# KiCad board oibus-mini-CCC_PANEL.kicad_pcb (continued)
## Routing (per net, layer and track width the routed paths; a pad name or vN(x,y) marks a point on that pad's centre or on a via; arc(x,y) is an arc through that point) (continued)
75.08,225.31 SW2#27.2 ; U6#28.9 41,219.51 41.05,219.56 U6#28.8 ; R5#27.2 86.8,221.21 v2(87.2,221.61) ; 40.35,219.06 40.3,219.01 ; 40,219.06 40.95,219.06 41.2,218.81 41.45,219.06 42.4,219.06 ; v2(41.8,226.01) 42,225.81 C18#21.2 ; SW2#29.2 38.08,225.31 39.18,224.21 v2(40.2,224.21) ; C13#27.2 78.71,230 v2(78.4,230.31) ; 37.8,233.56 37.8,230.99 38.08,230.71 SW2#29.2 ; 37.8,233.56 38.2,233.96 U2#28.10 v2(39.8,234.91) ; 37.8,233.56 38.2,233.56 v2(38.35,233.41) ; v2(78.4,230.31) 78,230.71 U2#29.11 ; v2(78.4,230.31) 78.5,230.21 ; U3#28.6 69.53,253.01 v2(70.35,253.83) ; v2(54.6,223.96) 54.53,224.03 P1#23.3 ; v2(65.64,235.76) 66.14,235.26 U8#21.8 ; v2(101.1,211.41) 101.2,211.51 D6#30.3 ; v2(89.98,241.45) 89.98,242.02 89.5,242.51 U2#29.20 ; 103.72,253.08 v2(103.6,253.21) ; v2(103.6,253.21) 103.72,253.33 U3#27.EGP9 ; v2(103.6,253.21) U3#27.EGP10 102.58,255.48 103,255.91 U3#27.12 ; v2(103.6,253.21) 103.47,253.08 U3#27.EGP7 ; v2(103.75,250.61) 103.58,250.78 U3#27.EGP1 U3#27.EGP4 U3#27.EGP3 ; v4(102.7,205.61) 103.2,206.11 C14#30.1 ; 114,219.06 114.95,219.06 115.2,218.81 115.45,219.06 116.4,219.06 ; v2(124.2,221.61) 123.8,221.21 R5#26.2 ; 114.35,219.06 114.3,219.01 ; U6#27.9 115,219.51 115.05,219.56 U6#27.8 ; U2#27.5 115,246.89 v2(115.05,246.94) ; R23#28.2 v2(125.3,247.31) ; v2(116.8,247.01) 116.9,246.91 U2#27.4 ; v2(123.8,246.81) 123.8,246.66 122.6,245.46 U2#27.1 ; v2(146.75,225.46) 146.79,225.5 C25#28.2 ; U8#29.47 102.39,228.63 C21#29.1 103.14,228.01 v2(103.74,227.41) ; 109.8,232.5 C26#27.1 ; C26#27.1 v2(110.4,232.51) ; C26#27.1 109.79,232.72 C16#29.2 ; Y1#30.4 108.25,236.15 C16#29.2 ; C16#29.2 107.35,234.26 v2(107.3,234.21) ; Y1#30.2 109.82,238.37 C17#30.1 109.55,240.26 109.1,240.71 ; C22#30.1 C23#30.1 107.74,243.55 v2(108.4,244.21) ; v2(109.1,256.8) 109.79,256.11 C5#27.1 ; v2(104.9,248.11) 104.88,248.08 U3#27.30 U3#27.53 ; v2(99.2,248.21) 99.33,248.08 U3#27.26 ; U3#27.14 101,255.81 101.42,255.38 U3#27.EGP11 101.33,254.23 v2(100.3,253.21) ; U8#29.35 94.45,232.26 C19#30.1 92.9,231.41 v2(92.5,231.01) ; C6#27.1 v2(108,216.51) ; v2(109.6,221.01) 109.9,220.71 D5#29.1 ; v2(105.7,224.41) 105.4,224.41 105.03,224.78 U7#30.2 ; U2#29.6 v2(77.1,242.51) ; v2(97.77,240.28) 97.89,240.16 U8#29.23 ; v2(94.1,239.91) 93.96,239.77 C20#30.1 ; v2(87,232.51) 86.6,232.11 U2#29.15 ; v2(90.2,235.11) 90,234.91 U2#29.16 ; H2#29.4 89.05,211.06 C9#28.1 91.3,213.97 91.3,212.81 v2(91.1,212.61) ; J2#27.6 J2#27.6 ; J2#27.6 J2#27.6 ; v2(80.24,209.08) 80.12,209.21 J2#27.5 J2#27.6 ; v2(80.24,209.08) 79.46,209.21 ; v2(80.24,209.08) 80.34,209.21 80.85,209.21 81.3,209.66 U10#27.3 ; R8#29.2 75.6,254.21 v2(75.7,254.31) ; v2(102.9,224.01) 102.51,223.62 C15#29.1 ; C26#29.1 72.79,232.72 C16#21.2 ; C26#29.1 72.8,232.5 ; C26#29.1 v2(73.4,232.51) ; C16#21.2 71.25,236.15 Y1#23.4 ; C16#21.2 70.35,234.26 v2(70.3,234.21) ; U10#29.3 44.3,209.66 43.85,209.21 43.34,209.21 v2(43.24,209.08) ; v2(65.9,224.01) 65.51,223.62 C15#21.1 ; U8#21.47 65.39,228.63 C21#21.1 66.14,228.01 v2(66.74,227.41) ; Y1#23.2 72.82,238.37 C17#21.1 72.55,240.26 72.1,240.71 ; C22#21.1 C23#21.1 70.74,243.55 v2(71.4,244.21) ; v2(72.1,256.8) 72.79,256.11 C5#28.1 ; v2(67.9,248.11) 67.88,248.08 U3#28.30 U3#28.53 ; v2(62.2,248.21) 62.33,248.08 U3#28.26 ; v2(63.3,253.21) 63.27,253.23 U3#28.EGP12 ; v2(63.3,253.21) 63.42,253.08 U3#28.EGP8 ; v2(63.3,253.21) 64.33,254.23 U3#28.EGP11 64.42,255.38 64,255.81 U3#28.14 ; v2(66.6,253.21) 66.47,253.08 U3#28.EGP7 ; v2(66.6,253.21) 66.72,253.33 U3#28.EGP9 ; v2(66.6,253.21) U3#28.EGP10 65.58,255.48 66,255.91 U3#28.12 ; v2(66.6,253.21) 66.72,253.08 ; v2(55.5,231.01) 55.9,231.41 C19#21.1 57.45,232.26 U8#21.35 ; C6#29.1 v2(71,216.51) ; v2(72.6,221.01) 72.9,220.71 D5#28.1 ; v2(68.7,224.41) 68.4,224.41 68.03,224.78 U7#23.2 ; v2(100.3,253.21) 100.28,253.23 U3#27.EGP12 ; v2(100.3,253.21) 100.42,253.08 U3#27.EGP8 ; v2(115.8,226.01) 116,225.81 C18#29.2 ; SW2#28.2 112.08,225.31 113.18,224.21 v2(114.2,224.21) ; 111.8,233.56 111.8,230.99 112.08,230.71 SW2#28.2 ; 111.8,233.56 112.2,233.96 U2#27.10 v2(113.8,234.91) ; 111.8,233.56 112.2,233.56 v2(112.35,233.41) ; U3#26.6 143.53,253.01 v2(144.35,253.83) ; v2(128.6,223.96) 128.53,224.03 P1#29.3 ; v2(139.64,235.76) 140.14,235.26 U8#24.8 ; v2(41.4,230.31) 41.71,230 C13#29.2 ; v2(41.4,230.31) 41,230.71 U2#28.11 ; v2(41.4,230.31) 41.5,230.21 ; U2#28.6 v2(40.1,242.51) ; v2(60.77,240.28) 60.89,240.16 U8#21.23 ; v2(57.1,239.91) 56.96,239.77 C20#21.1 ; v2(50,232.51) 49.6,232.11 U2#28.15 ; v2(53.2,235.11) 53,234.91 U2#28.16 ; H2#28.4 52.05,211.06 C9#29.1 54.3,213.97 54.3,212.81 v2(54.1,212.61) ; J2#29.6 J2#29.6 ; J2#29.6 J2#29.6 ; v2(43.24,209.08) 43.12,209.21 J2#29.5 J2#29.6 ; v2(43.24,209.08) 42.46,209.21 ; v2(64.1,211.41) 64.2,211.51 D6#23.3 ; v2(52.98,241.45) 52.98,242.02 52.5,242.51 U2#28.20 ; v2(66.75,250.61) 66.58,250.78 U3#28.EGP1 U3#28.EGP4 U3#28.EGP3 ; v4(65.7,205.61) 66.2,206.11 C14#21.1 ; R8#28.2 38.6,254.21 v2(38.7,254.31) ; v2(140.75,250.61) 140.57,250.78 U3#26.EGP1 U3#26.EGP4 U3#26.EGP3 ; v4(139.7,205.61) 140.2,206.11 C14#29.1 ; R8#27.2 112.6,254.21 v2(112.7,254.31) ; U3#26.14 138,255.81 138.43,255.38 U3#26.EGP11 138.32,254.23 v2(137.3,253.21) ; v2(152.8,226.01) 153,225.81 C18#28.2 ; v2(151.2,224.21) 150.18,224.21 149.08,225.31 SW2#30.2 ; R5#30.2 160.8,221.21 v2(161.2,221.61) ; U6#29.9 152,219.51 152.05,219.56 U6#29.8 ; 148.8,233.56 149.2,233.96 U2#26.10 v2(150.8,234.91) ; 148.8,233.56 148.8,230.99 149.08,230.71 SW2#30.2 ; 148.8,233.56 149.2,233.56 v2(149.35,233.41) ; 151.35,219.06 151.3,219.01 ; 151,219.06 151.95,219.06 152.2,218.81 152.45,219.06 153.4,219.06 ; U2#26.4 153.9,246.91 v2(153.8,247.01) ; R23#30.2 v2(162.3,247.31) ; v2(160.8,246.81) 160.8,246.66 159.6,245.46 U2#26.1 ; v2(152.05,246.94) 152,246.89 U2#26.5 ; U3#30.6 180.53,253.01 v2(181.35,253.83) ; v2(165.6,223.96) 165.53,224.03 P1#28.3 ; U8#28.8 177.14,235.26 v2(176.64,235.76) ; R8#26.2 149.6,254.21 v2(149.7,254.31) ; U8#28.47 176.39,228.63 C21#28.1 177.14,228.01 v2(177.74,227.41) ; 183.8,232.5 C26#30.1 ; C26#30.1 183.79,232.72 C16#28.2 ; C26#30.1 v2(184.4,232.51) ; Y1#28.4 182.25,236.15 C16#28.2 ; C16#28.2 181.35,234.26 v2(181.3,234.21) ; Y1#28.2 183.82,238.37 C17#28.1 183.55,240.26 183.1,240.71 ; C22#28.1 C23#28.1 181.74,243.55 v2(182.4,244.21) ; v2(183.1,256.8) 183.79,256.11 C5#30.1 ; v2(178.9,248.11) 178.88,248.08 U3#30.30 U3#30.53 ; v2(173.2,248.21) 173.32,248.08 U3#30.26 ; U3#30.EGP7 177.47,253.08 v2(177.6,253.21) ; v2(177.6,253.21) 177.72,253.33 U3#30.EGP9 ; v2(177.6,253.21) U3#30.EGP10 176.57,255.48 177,255.91 U3#30.12 ; v2(177.6,253.21) 177.72,253.08 ; U3#30.14 175,255.81 175.43,255.38 U3#30.EGP11 175.32,254.23 v2(174.3,253.21) ; v2(183.75,225.46) 183.79,225.5 C25#30.2 ; v2(175.1,211.41) 175.2,211.51 D6#28.3 ; v2(163.98,241.45) 163.98,242.02 163.5,242.51 U2#26.20 ; v2(177.75,250.61) 177.57,250.78 U3#30.EGP1 U3#30.EGP4 U3#30.EGP3 ; v4(176.7,205.61) 177.2,206.11 C14#28.1 ; 188,219.06 188.95,219.06 189.2,218.81 189.45,219.06 190.4,219.06 ; v2(198.2,221.61) 197.8,221.21 R5#29.2 ; 188.35,219.06 188.3,219.01 ; U6#30.9 189,219.51 189.05,219.56 U6#30.8 ; U10#30.3 155.3,209.66 154.85,209.21 154.34,209.21 v2(154.24,209.08) ; v2(176.9,224.01) 176.51,223.62 C15#28.1 ; U8#28.35 168.45,232.26 C19#28.1 166.9,231.41 v2(166.5,231.01) ; C6#30.1 v2(182,216.51) ; v2(183.6,221.01) 183.9,220.71 D5#26.1 ; v2(179.7,224.41) 179.4,224.41 179.03,224.78 U7#28.2 ; U2#26.6 v2(151.1,242.51) ; v2(171.77,240.28) 171.89,240.16 U8#28.23 ; v2(168.1,239.91) 167.96,239.77 C20#28.1 ; v2(161,232.51) 160.6,232.11 U2#26.15 ; v2(164.2,235.11) 164,234.91 U2#26.16 ; v2(152.4,230.31) 152,230.71 U2#26.11 ; v2(152.4,230.31) 152.5,230.21 ; v2(152.4,230.31) 152.71,230 C13#30.2 ; H2#26.4 163.05,211.06 C9#26.1 165.3,213.97 165.3,212.81 v2(165.1,212.61) ; J2#30.6 J2#30.6 ; J2#30.6 J2#30.6 ; v2(154.24,209.08) 154.12,209.21 J2#30.5 J2#30.6 ; v2(154.24,209.08) 153.46,209.21 ; C26#28.1 146.79,232.72 C16#24.2 ; C26#28.1 146.8,232.5 ; C26#28.1 v2(147.4,232.51) ; C16#24.2 145.25,236.15 Y1#29.4 ; C16#24.2 144.35,234.26 v2(144.3,234.21) ; U10#28.3 118.3,209.66 117.85,209.21 117.34,209.21 v2(117.24,209.08) ; v2(139.9,224.01) 139.51,223.62 C15#24.1 ; U8#24.47 139.39,228.63 C21#24.1 140.14,228.01 v2(140.74,227.41) ; Y1#29.2 146.82,238.37 C17#29.1 146.55,240.26 146.1,240.71 ; U2#30.5 189,246.89 v2(189.05,246.94) ; R23#26.2 v2(199.3,247.31) ; v2(190.8,247.01) 190.9,246.91 U2#30.4 ; v2(197.8,246.81) 197.8,246.66 196.6,245.46 U2#30.1 ; v2(220.75,225.46) 220.79,225.5 C25#26.2 ; C6#28.1 v2(145,216.51) ; v2(146.6,221.01) 146.9,220.71 D5#27.1 ; v2(142.7,224.41) 142.4,224.41 142.03,224.78 U7#29.2 ; U2#27.6 v2(114.1,242.51) ; v2(134.77,240.28) 134.89,240.16 U8#24.23 ; v2(131.1,239.91) 130.96,239.77 C20#29.1 ; v2(124,232.51) 123.6,232.11 U2#27.15 ; v2(127.2,235.11) 127,234.91 U2#27.16 ; v2(115.4,230.31) 115,230.71 U2#27.11 ; v2(115.4,230.31) 115.5,230.21 ; v2(115.4,230.31) 115.71,230 C13#28.2 ; H2#27.4 126.05,211.06 C9#27.1 128.3,213.97 128.3,212.81 v2(128.1,212.61) ; J2#28.6 J2#28.6 ; J2#28.6 J2#28.6 ; v2(117.24,209.08) 117.12,209.21 J2#28.5 J2#28.6 ; v2(117.24,209.08) 116.46,209.21 ; v2(138.1,211.41) 138.2,211.51 D6#29.3 ; v2(126.98,241.45) 126.98,242.02 126.5,242.51 U2#27.20 ; 140.72,253.08 v2(140.6,253.21) ; v2(140.6,253.21) 140.72,253.33 U3#26.EGP9 ; v2(140.6,253.21) U3#26.EGP10 139.57,255.48 140,255.91 U3#26.12 ; v2(140.6,253.21) 140.47,253.08 U3#26.EGP7 ; U8#24.35 131.45,232.26 C19#24.1 129.9,231.41 v2(129.5,231.01) ; C22#29.1 C23#29.1 144.74,243.55 v2(145.4,244.21) ; v2(146.1,256.8) 146.79,256.11 C5#26.1 ; v2(141.9,248.11) 141.88,248.08 U3#26.30 U3#26.53 ; v2(136.2,248.21) 136.32,248.08 U3#26.26 ; v2(137.3,253.21) 137.28,253.23 U3#26.EGP12 ; v2(137.3,253.21) 137.43,253.08 U3#26.EGP8 ; U3#29.6 217.53,253.01 v2(218.35,253.83) ; v2(186.35,233.41) 186.2,233.56 185.8,233.56 ; 185.8,233.56 186.2,233.96 U2#30.10 v2(187.8,234.91) ; 185.8,233.56 185.8,230.99 186.08,230.71 SW2#26.2 ; v2(202.6,223.96) 202.53,224.03 P1#27.3 ; v2(213.64,235.76) 214.14,235.26 U8#30.8 ; v2(189.8,226.01) 190,225.81 C18#27.2 ; SW2#26.2 186.08,225.31 187.18,224.21 v2(188.2,224.21) ; v2(174.3,253.21) 174.28,253.23 U3#30.EGP12 ; v2(174.3,253.21) 174.43,253.08 U3#30.EGP8 ; R5#20.2 49.8,155.21 v2(50.2,155.61) ; v2(78.8,160.01) 79,159.81 C18#23.2 ; v2(77.2,158.21) 76.18,158.21 75.08,159.31 SW2#19.2 ; U6#20.9 41,153.51 41.05,153.56 U6#20.8 ; R5#19.2 86.8,155.21 v2(87.2,155.61) ; U6#17.9 78,153.51 78.05,153.56 U6#17.8 ; 40.35,153.06 40.3,153.01 ; 40,153.06 40.95,153.06 41.2,152.81 41.45,153.06 42.4,153.06 ; 74.8,167.56 75.2,167.96 U2#21.10 v2(76.8,168.91) ; 74.8,167.56 74.8,164.99 75.08,164.71 SW2#19.2 ; 74.8,167.56 75.2,167.56 v2(75.35,167.41) ; 77.35,153.06 77.3,153.01 ; 77,153.06 77.95,153.06 78.2,152.81 78.45,153.06 79.4,153.06 ; R23#21.2 v2(51.3,181.31) ; v2(42.8,181.01) 42.9,180.91 U2#20.4 ; v2(49.8,180.81) 49.8,180.66 48.6,179.46 U2#20.1 ; U2#21.4 79.9,180.91 v2(79.8,181.01) ; R23#19.2 v2(88.3,181.31) ; v2(86.8,180.81) 86.8,180.66 85.6,179.46 U2#21.1 ; v2(78.05,180.94) 78,180.89 U2#21.5 ; v2(41.05,180.94) 41,180.89 U2#20.5 ; v2(109.75,159.46) 109.79,159.5 C25#19.2 ; C25#21.2 72.79,159.5 v2(72.75,159.46) ; v2(12.8,180.81) 12.8,180.66 11.6,179.46 U2#17.1 ; v2(5.8,181.01) 5.9,180.91 U2#17.4 ; R23#17.2 v2(14.3,181.31) ; v2(4.05,180.94) 4,180.89 U2#17.5 ; v2(35.75,159.46) 35.79,159.5 C25#17.2 ; 5.4,153.06 4.45,153.06 4.2,152.81 3.95,153.06 3,153.06 ; 3.35,153.06 3.3,153.01 ; U6#18.8 4.05,153.56 4,153.51 U6#18.9 ; v2(13.2,155.61) 12.8,155.21 R5#17.2 ; v2(4.8,160.01) 5,159.81 C18#18.2 ; v2(3.2,158.21) 2.18,158.21 1.08,159.31 SW2#17.2 ; 0.8,167.56 0.8,164.99 1.08,164.71 SW2#17.2 ; 0.8,167.56 1.2,167.96 U2#17.10 v2(2.8,168.91) ; 0.8,167.56 1.2,167.56 v2(1.35,167.41) ; P1#18.3 17.53,158.03 v2(17.6,157.96) ; U3#17.6 32.53,187.01 v2(33.35,187.83) ; v2(28.64,169.76) 29.14,169.26 U8#19.8 ; v2(4.4,164.31) 4.71,164 C13#17.2 ; v2(4.4,164.31) 4,164.71 U2#17.11 ; v2(4.4,164.31) 4.5,164.21 ; U3#17.EGP7 29.48,187.08 v2(29.6,187.21) ; v2(29.6,187.21) 29.73,187.33 U3#17.EGP9 ; v2(29.6,187.21) U3#17.EGP10 28.57,189.48 29,189.91 U3#17.12 ; v2(29.6,187.21) 29.73,187.08 ; U3#17.14 27,189.81 27.43,189.38 U3#17.EGP11 27.32,188.23 v2(26.3,187.21) ; U8#19.35 20.45,166.26 C19#19.1 18.9,165.41 v2(18.5,165.01) ; C6#17.1 v2(34,150.51) ; v2(35.6,155.01) 35.9,154.71 D5#17.1 ; v2(31.7,158.41) 31.4,158.41 31.03,158.78 U7#18.2 ; U2#17.6 v2(3.1,176.51) ; v2(23.77,174.28) 23.89,174.16 U8#19.23 ; v2(20.1,173.91) 19.96,173.77 C20#18.1 ; v2(13,166.51) 12.6,166.11 U2#17.15 ; v2(16.2,169.11) 16,168.91 U2#17.16 ; H2#17.4 15.05,145.06 C9#17.1 17.3,147.97 17.3,146.81 v2(17.1,146.61) ; J2#17.6 J2#17.6 ; J2#17.6 J2#17.6 ; v2(6.24,143.08) 6.12,143.21 J2#17.5 J2#17.6 ; v2(6.24,143.08) 5.46,143.21 ; v2(6.24,143.08) 6.34,143.21 6.85,143.21 7.3,143.66 U10#17.3 ; C26#17.1 v2(36.4,166.51) ; C26#17.1 35.79,166.72 C16#19.2 ; C26#17.1 35.8,166.5 ; v2(29.74,161.41) 29.14,162.01 C21#19.1 28.39,162.63 U8#19.47 ; v2(27.1,145.41) 27.2,145.51 D6#18.3 ; v2(15.98,175.45) 15.98,176.02 15.5,176.51 U2#17.20 ; v2(29.75,184.61) 29.57,184.78 U3#17.EGP1 U3#17.EGP4 U3#17.EGP3 ; v4(28.7,139.61) 29.2,140.11 C14#18.1 ; R8#17.2 1.6,188.21 v2(1.7,188.31) ; C16#19.2 34.25,170.15 Y1#18.4 ; C16#19.2 33.35,168.26 v2(33.3,168.21) ; v2(28.9,158.01) 28.51,157.62 C15#19.1 ; Y1#18.2 35.82,172.37 C17#18.1 35.55,174.26 35.1,174.71 ; C22#18.1 C23#18.1 33.74,177.55 v2(34.4,178.21) ; v2(35.1,190.8) 35.79,190.11 C5#17.1 ; v2(30.9,182.11) 30.88,182.08 U3#17.30 U3#17.53 ; v2(25.2,182.21) 25.32,182.08 U3#17.26 ; v2(26.3,187.21) 26.27,187.23 U3#17.EGP12 ; v2(26.3,187.21) 26.43,187.08 U3#17.EGP8 ; U3#19.6 106.53,187.01 v2(107.35,187.83) ; v2(91.6,157.96) 91.53,158.03 P1#22.3 ; U8#22.8 103.14,169.26 v2(102.64,169.76) ; R8#21.2 75.6,188.21 v2(75.7,188.31) ; C26#19.1 109.79,166.72 C16#22.2 ; C26#19.1 109.8,166.5 ; C26#19.1 v2(110.4,166.51) ; C16#22.2 108.25,170.15 Y1#22.4 ; C16#22.2 107.35,168.26 v2(107.3,168.21) ; U10#19.3 81.3,143.66 80.85,143.21 80.34,143.21 v2(80.24,143.08) ; v2(102.9,158.01) 102.51,157.62 C15#22.1 ; U8#22.47 102.39,162.63 C21#22.1 103.14,162.01 v2(103.74,161.41) ; Y1#22.2 109.82,172.37 C17#23.1 109.55,174.26 109.1,174.71 ; C22#23.1 C23#23.1 107.74,177.55 v2(108.4,178.21) ; v2(109.1,190.8) 109.79,190.11 C5#19.1 ; v2(104.9,182.11) 104.88,182.08 U3#19.30 U3#19.53 ; v2(99.2,182.21) 99.33,182.08 U3#19.26 ; U3#19.EGP7 103.47,187.08 v2(103.6,187.21) ; v2(103.6,187.21) 103.72,187.33 U3#19.EGP9 ; v2(103.6,187.21) U3#19.EGP10 102.58,189.48 103,189.91 U3#19.12 ; v2(103.6,187.21) 103.72,187.08 ; U3#19.14 101,189.81 101.42,189.38 U3#19.EGP11 101.33,188.23 v2(100.3,187.21) ; U8#22.35 94.45,166.26 C19#23.1 92.9,165.41 v2(92.5,165.01) ; C6#19.1 v2(108,150.51) ; v2(109.6,155.01) 109.9,154.71 D5#21.1 ; v2(105.7,158.41) 105.4,158.41 105.03,158.78 U7#22.2 ; U2#21.6 v2(77.1,176.51) ; v2(97.77,174.28) 97.89,174.16 U8#22.23 ; v2(94.1,173.91) 93.96,173.77 C20#23.1 ; v2(87,166.51) 86.6,166.11 U2#21.15 ; v2(90.2,169.11) 90,168.91 U2#21.16 ; v2(78.4,164.31) 78,164.71 U2#21.11 ; v2(78.4,164.31) 78.5,164.21 ; v2(78.4,164.31) 78.71,164 C13#19.2 ; H2#21.4 89.05,145.06 C9#20.1 91.3,147.97 91.3,146.81 v2(91.1,146.61) ; J2#19.6 J2#19.6 ; J2#19.6 J2#19.6 ; v2(80.24,143.08) 80.12,143.21 J2#19.5 J2#19.6 ; v2(80.24,143.08) 79.46,143.21 ; v2(101.1,145.41) 101.2,145.51 D6#22.3 ; v2(89.98,175.45) 89.98,176.02 89.5,176.51 U2#21.20 ; v2(103.75,184.61) 103.58,184.78 U3#19.EGP1 U3#19.EGP4 U3#19.EGP3 ; v4(102.7,139.61) 103.2,140.11 C14#23.1 ; 114,153.06 114.95,153.06 115.2,152.81 115.45,153.06 116.4,153.06 ; v2(124.2,155.61) 123.8,155.21 R5#18.2 ; 114.35,153.06 114.3,153.01 ; U6#19.9 115,153.51 115.05,153.56 U6#19.8 ; U2#19.5 115,180.89 v2(115.05,180.94) ; R23#20.2 v2(125.3,181.31) ; v2(116.8,181.01) 116.9,180.91 U2#19.4 ; v2(123.8,180.81) 123.8,180.66 122.6,179.46 U2#19.1 ; v2(146.75,159.46) 146.79,159.5 C25#20.2 ; U3#20.6 69.53,187.01 v2(70.35,187.83) ; v2(38.35,167.41) 38.2,167.56 37.8,167.56 ; 37.8,167.56 38.2,167.96 U2#20.10 v2(39.8,168.91) ; 37.8,167.56 37.8,164.99 38.08,164.71 SW2#21.2 ; v2(54.6,157.96) 54.53,158.03 P1#17.3 ; v2(65.64,169.76) 66.14,169.26 U8#17.8 ; v2(41.8,160.01) 42,159.81 C18#17.2 ; SW2#21.2 38.08,159.31 39.18,158.21 v2(40.2,158.21) ; U3#18.6 143.53,187.01 v2(144.35,187.83) ; v2(112.35,167.41) 112.2,167.56 111.8,167.56 ; 111.8,167.56 112.2,167.96 U2#19.10 v2(113.8,168.91) ; 111.8,167.56 111.8,164.99 112.08,164.71 SW2#20.2 ; v2(128.6,157.96) 128.53,158.03 P1#21.3 ; v2(139.64,169.76) 140.14,169.26 U8#18.8 ; v2(115.8,160.01) 116,159.81 C18#22.2 ; SW2#20.2 112.08,159.31 113.18,158.21 v2(114.2,158.21) ; v2(100.3,187.21) 100.28,187.23 U3#19.EGP12 ; v2(100.3,187.21) 100.42,187.08 U3#19.EGP8 ; C26#21.1 72.79,166.72 C16#17.2 ; C26#21.1 72.8,166.5 ; C26#21.1 v2(73.4,166.51) ; C16#17.2 71.25,170.15 Y1#17.4 ; C16#17.2 70.35,168.26 v2(70.3,168.21) ; U10#21.3 44.3,143.66 43.85,143.21 43.34,143.21 v2(43.24,143.08) ; v2(65.9,158.01) 65.51,157.62 C15#17.1 ; U8#17.47 65.39,162.63 C21#17.1 66.14,162.01 v2(66.74,161.41) ; Y1#17.2 72.82,172.37 C17#17.1 72.55,174.26 72.1,174.71 ; C22#17.1 C23#17.1 70.74,177.55 v2(71.4,178.21) ; v2(72.1,190.8) 72.79,190.11 C5#20.1 ; v2(67.9,182.11) 67.88,182.08 U3#20.30 U3#20.53 ; v2(62.2,182.21) 62.33,182.08 U3#20.26 ; v2(63.3,187.21) 63.27,187.23 U3#20.EGP12 ; v2(63.3,187.21) 63.42,187.08 U3#20.EGP8 ; v2(63.3,187.21) 64.33,188.23 U3#20.EGP11 64.42,189.38 64,189.81 U3#20.14 ; v2(66.6,187.21) 66.47,187.08 U3#20.EGP7 ; v2(66.6,187.21) 66.72,187.08 ; v2(66.6,187.21) 66.72,187.33 U3#20.EGP9 ; v2(66.6,187.21) U3#20.EGP10 65.58,189.48 66,189.91 U3#20.12 ; v2(55.5,165.01) 55.9,165.41 C19#17.1 57.45,166.26 U8#17.35 ; C6#21.1 v2(71,150.51) ; v2(72.6,155.01) 72.9,154.71 D5#20.1 ; v2(68.7,158.41) 68.4,158.41 68.03,158.78 U7#17.2 ; U2#20.6 v2(40.1,176.51) ; v2(60.77,174.28) 60.89,174.16 U8#17.23 ; v2(57.1,173.91) 56.96,173.77 C20#17.1 ; v2(50,166.51) 49.6,166.11 U2#20.15 ; v2(53.2,169.11) 53,168.91 U2#20.16 ; v2(41.4,164.31) 41,164.71 U2#20.11 ; v2(41.4,164.31) 41.5,164.21 ; v2(41.4,164.31) 41.71,164 C13#21.2 ; H2#20.4 52.05,145.06 C9#21.1 54.3,147.97 54.3,146.81 v2(54.1,146.61) ; J2#21.6 J2#21.6 ; J2#21.6 J2#21.6 ; v2(43.24,143.08) 43.12,143.21 J2#21.5 J2#21.6 ; v2(43.24,143.08) 42.46,143.21 ; v2(64.1,145.41) 64.2,145.51 D6#17.3 ; v2(52.98,175.45) 52.98,176.02 52.5,176.51 U2#20.20 ; v2(66.75,184.61) 66.58,184.78 U3#20.EGP1 U3#20.EGP4 U3#20.EGP3 ; v4(65.7,139.61) 66.2,140.11 C14#17.1 ; R8#20.2 38.6,188.21 v2(38.7,188.31) ; v2(140.75,184.61) 140.57,184.78 U3#18.EGP1 U3#18.EGP4 U3#18.EGP3 ; v4(139.7,139.61) 140.2,140.11 C14#22.1 ; R8#19.2 112.6,188.21 v2(112.7,188.31) ; U3#18.14 138,189.81 138.43,189.38 U3#18.EGP11 138.32,188.23 v2(137.3,187.21) ; v2(115.4,164.31) 115.71,164 C13#20.2 ; v2(115.4,164.31) 115,164.71 U2#19.11 ; v2(115.4,164.31) 115.5,164.21 ; v2(140.6,187.21) 140.72,187.33 U3#18.EGP9 ; v2(140.6,187.21) U3#18.EGP10 139.57,189.48 140,189.91 U3#18.12 ; v2(140.6,187.21) 140.47,187.08 U3#18.EGP7 ; v2(140.6,187.21) 140.72,187.08 ; U8#18.35 131.45,166.26 C19#18.1 129.9,165.41 v2(129.5,165.01) ; C22#22.1 C23#22.1 144.74,177.55 v2(145.4,178.21) ; v2(146.1,190.8) 146.79,190.11 C5#18.1 ; v2(141.9,182.11) 141.88,182.08 U3#18.30 U3#18.53 ; v2(136.2,182.21) 136.32,182.08 U3#18.26 ; v2(137.3,187.21) 137.28,187.23 U3#18.EGP12 ; v2(137.3,187.21) 137.43,187.08 U3#18.EGP8 ; C6#20.1 v2(145,150.51) ; v2(146.6,155.01) 146.9,154.71 D5#19.1 ; v2(142.7,158.41) 142.4,158.41 142.03,158.78 U7#21.2 ; U2#19.6 v2(114.1,176.51) ; v2(134.77,174.28) 134.89,174.16 U8#18.23 ; v2(131.1,173.91) 130.96,173.77 C20#22.1 ; v2(124,166.51) 123.6,166.11 U2#19.15 ; v2(127.2,169.11) 127,168.91 U2#19.16 ; H2#19.4 126.05,145.06 C9#19.1 128.3,147.97 128.3,146.81 v2(128.1,146.61) ; J2#20.6 J2#20.6 ; J2#20.6 J2#20.6 ; v2(117.24,143.08) 117.12,143.21 J2#20.5 J2#20.6 ; v2(117.24,143.08) 116.46,143.21 ; v2(117.24,143.08) 117.34,143.21 117.85,143.21 118.3,143.66 U10#20.3 ; C26#20.1 v2(147.4,166.51) ; C26#20.1 146.79,166.72 C16#18.2 ; C26#20.1 146.8,166.5 ; v2(140.74,161.41) 140.14,162.01 C21#18.1 139.39,162.63 U8#18.47 ; v2(138.1,145.41) 138.2,145.51 D6#21.3 ; v2(126.98,175.45) 126.98,176.02 126.5,176.51 U2#19.20 